# Altium PCB PCB_Napajanje_EUROBOT-2016_ZA STAMPANJE.PcbDoc
Units mil, origin at the board's own origin, x right, y up, seen from the top; angles counter-clockwise.
Board outline 5910 x 3945 mil, 2 copper layers (Top Layer, Bottom Layer); 78 components, 33 nets, 235 pads, 0 vias.
Unrouted connection lines stored in the file: 18.
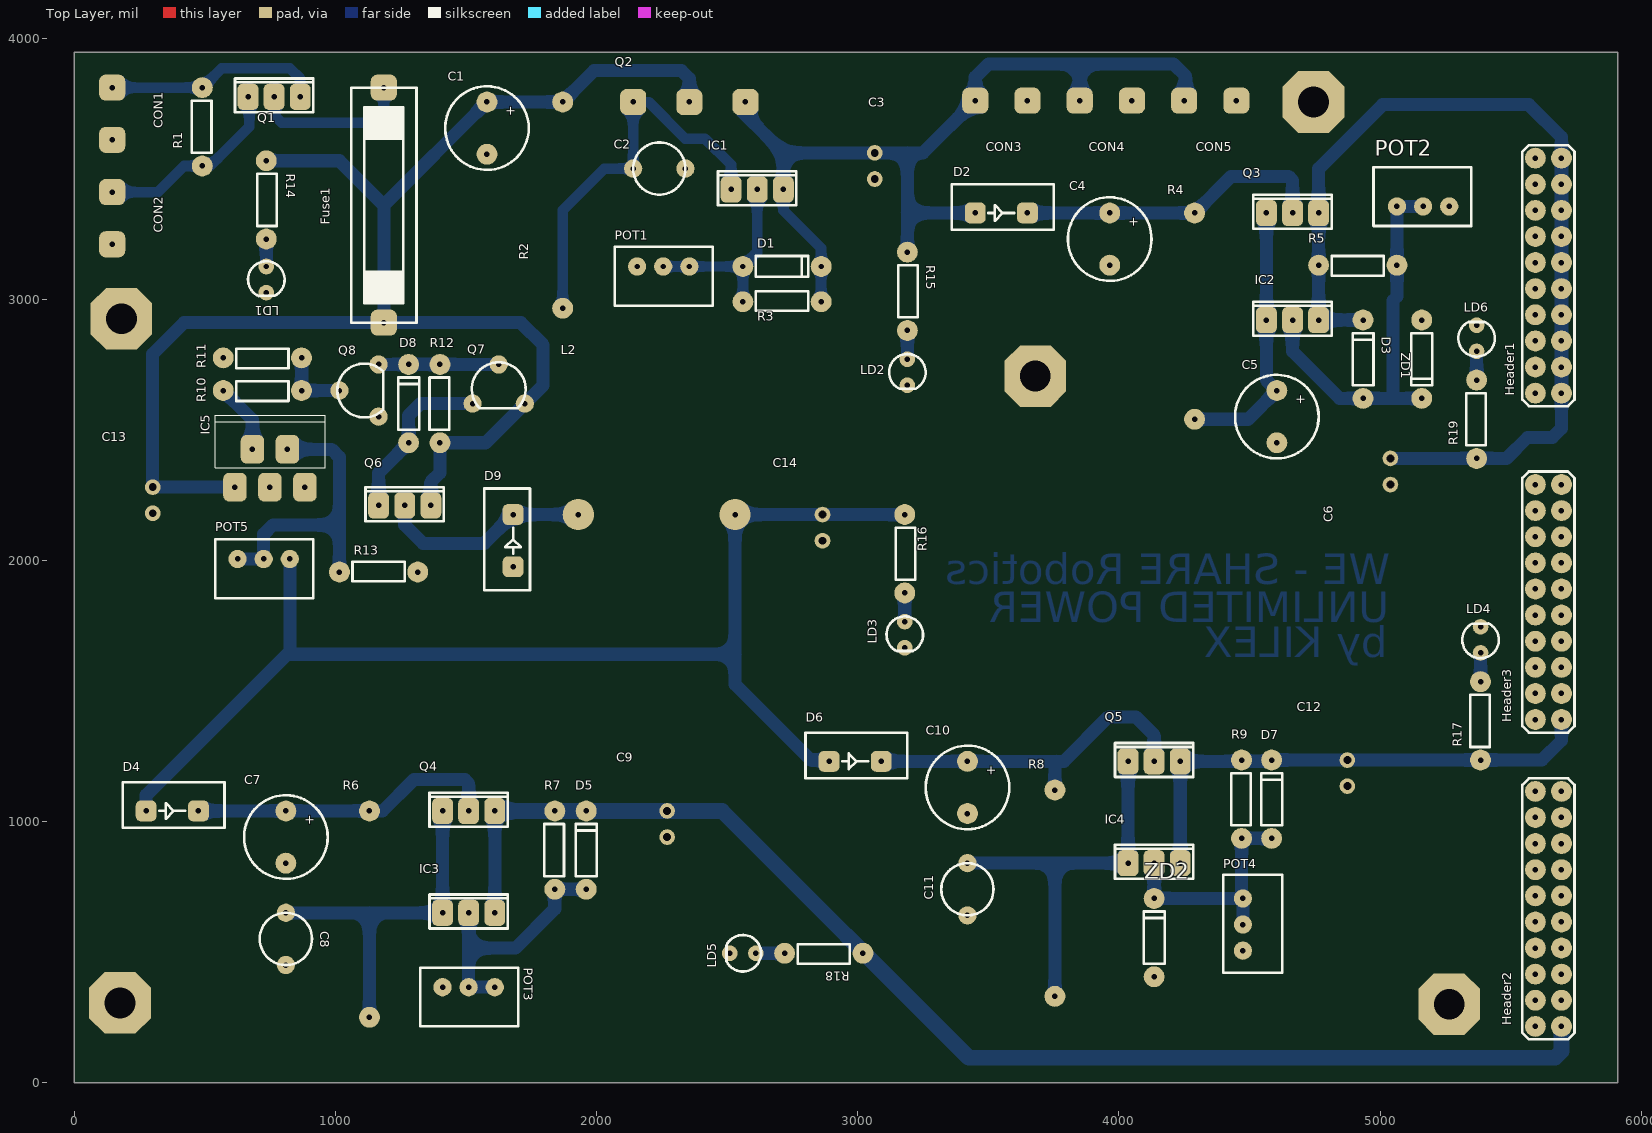
[diagram p0: Top Layer view]
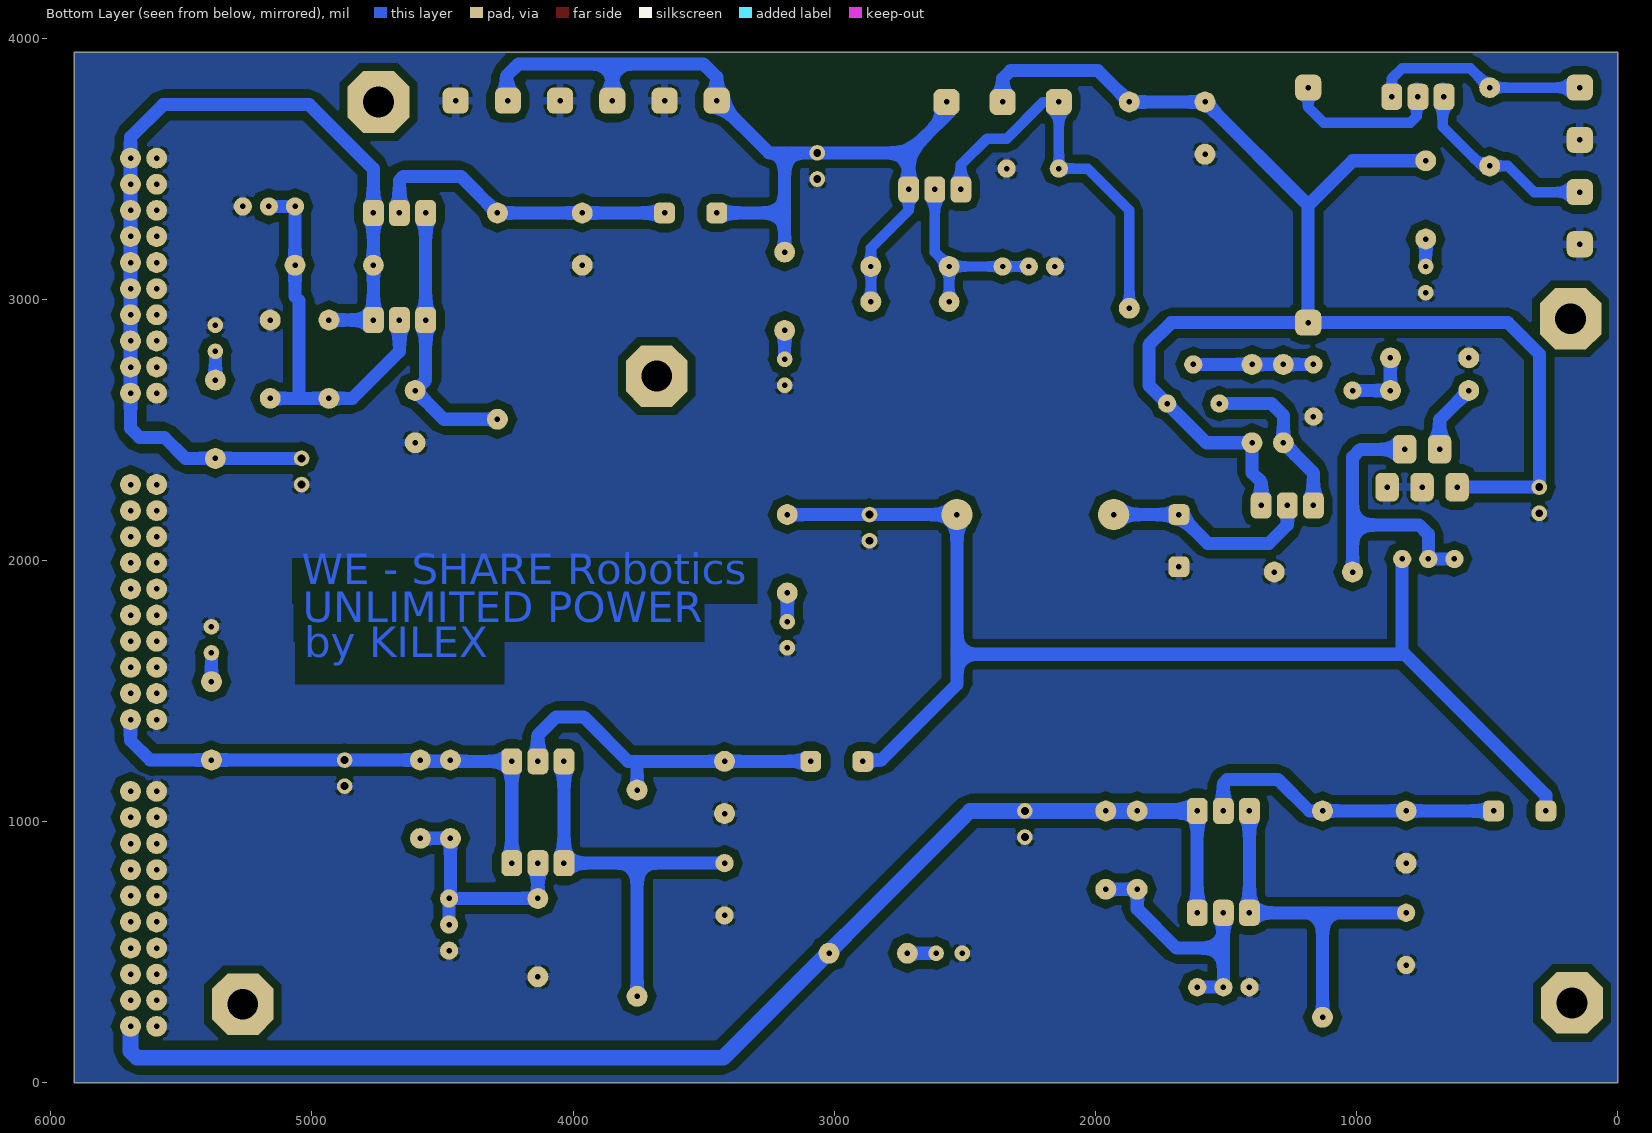
[diagram p1: Bottom Layer view, seen from below]
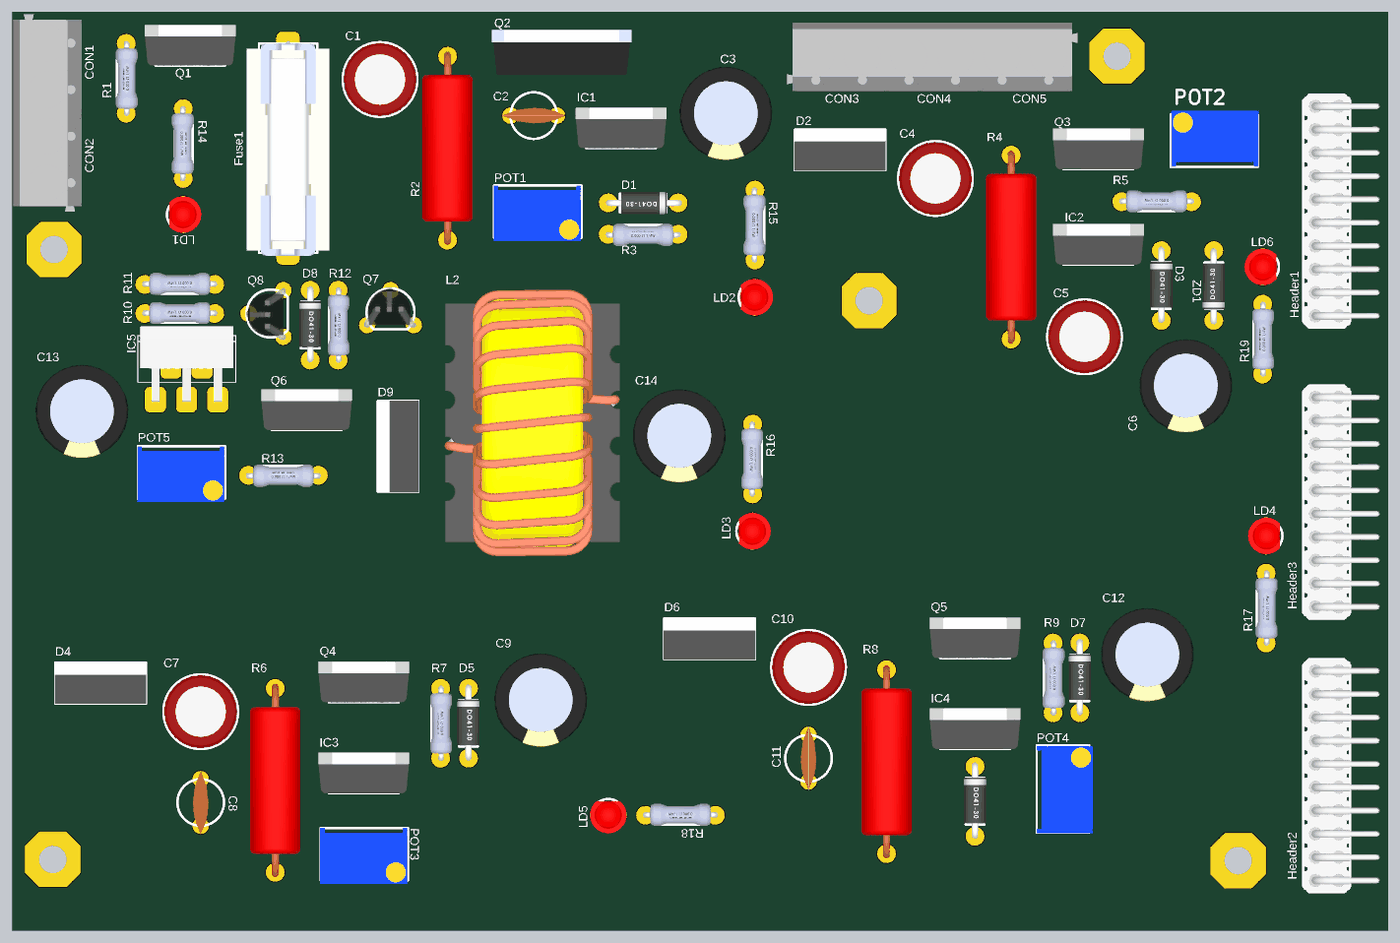
[diagram p2: 3D render of the assembled board from above, using the file's embedded part models]

## Layer stack, top to bottom
Top Solder: solder mask 0.4, Solder Resist, Dk 3.5
Top Layer: signal copper 1.4
Dielectric 1: dielectric 12.6, FR-4, Dk 4.8
Bottom Layer: signal copper 1.4
Bottom Solder: solder mask 0.4, Solder Resist, Dk 3.5

## Board outline
0,0 5910,0 5910,3945 0,3945

## Design rules (kind name [scope] priority, off if disabled: settings)
Clearance [All] p1: gap=30
PlaneClearance [InNet('GND')] p1: clearance=30
PlaneConnect [InNet('GND')] p1: planeconnectstyle=Relief reliefexpansion=10 reliefentries=4 reliefconductorwidth=30 reliefairgap=30
PolygonConnect [All] p1: connectstyle=Relief reliefconductorwidth=30 reliefentries=4 polygonreliefangle="90 Angle" airgapwidth=10
RoutingVias [All] p1: holewidth=28 width=50 viastyle="Through Hole" minholewidth=28 minwidth=50 maxholewidth=28 maxwidth=50
SolderMaskExpansion [All] p1: expansion=4
UnpouredPolygon [All] p1: allowunpoured=FALSE
Width [All] p1: maxlimit=60 minlimit=30 preferedwidth=40 minimp=50.000000 maximp=50.000000 favimp=50.000000
27 further rules are at their usual default settings.

## Components (designator, comment, footprint, x,y, rotation, side; value= is the part's Value field where it differs from the comment)
C1 "1000uF" C2(elektrolit) 1580,3755 r270 top
C2 "1uF" C1(ceramic) 2140,3500 r0 top
C3 "10uF" C3 3065,3560 r270 top
C4 "1000uF" C2(elektrolit) 3965,3330 r270 top
C5 "1uF" C2(elektrolit) 4605,2650 r270 top
C6 "10uF" C3 5040,2390 r270 top
C7 "1000uF" C2(elektrolit) 810,1040 r270 top
C8 "1uF" C1(ceramic) 810,650 r270 top
C9 "10uF" C3 2270,1040 r270 top
C10 "1000uF" C2(elektrolit) 3420,1230 r270 top
C11 "1uF" C1(ceramic) 3420,840 r270 top
C12 "10uF" C3 4875,1235 r270 top
C13 "100uF" C3 300,2280 r270 top
C14 "100uF" C3 2865,2175 r270 top
CON1 "Klema" Klema 145,3610 r90 top
CON2 "Klema" Klema 145,3210 r90 top
CON3 "Klema" Klema 3450,3760 r0 top
CON4 "Klema" Klema 3850,3760 r0 top
CON5 "Klema" Klema 4250,3760 r0 top
D1 "1n4007" D1(300milsa) 2560,3125 r0 top
D2 "MBR1045" D2(TO220) 3450,3330 r0 top
D3 "1n4007" D1(300milsa) 4935,2620 r90 top
D4 "MBR1045" D2(TO220) 275,1040 r0 top
D5 "1n4007" D1(300milsa) 1960,740 r90 top
D6 "MBR1045" D2(TO220) 2890,1230 r0 top
D7 "1n4007" D1(300milsa) 4585,935 r90 top
D8 "1n4148" D1(300milsa) 1280,2450 r90 top
D9 "MBR1045" D2(TO220) 1680,1975 r90 top
Fuse1 "FUSE" Osigurac 1185,3810 r270 top
Header1 "Header2x10" HEADER2x10 5695,2640 r90 top
Header2 "Header2x10" HEADER2x10 5695,215 r90 top
Header3 "Header2x10" HEADER2x10 5695,1390 r90 top
IC1 "LM317" TO220 2515,3420 r0 top
IC2 "LM317" TO220 4565,2920 r0 top
IC3 "LM317" TO220 1410,650 r0 top
IC4 "LM317" TO220 4035,840 r0 top
IC5 "LM2576" LM2576 615,2280 r0 top
L2 "100uH" Kalem 1930,2175 r0 top
LD1 "LED" LED(3mm) 735,3125 r270 top
LD2 "LED" LED(3mm) 3190,2770 r270 top
LD3 "LED" LED(3mm) 3180,1765 r270 top
LD4 "LED" LED(3mm) 5385,1645 r90 top
LD5 "LED" LED(3mm) 2610,495 r180 top
LD6 "LED" LED(3mm) 5370,2800 r90 top
POT1 "5K" TRIM 2155,3125 r0 top
POT2 "5K" TRIM 5265,3355 r180 top
POT3 "1K" TRIM 1410,365 r0 top
POT4 "5K" TRIM 4475,505 r90 top
POT5 "10K" TRIM 625,2005 r0 top
Q1 "IRF4905" TO220 665,3775 r0 top
Q2 "BD250" TO218 2140,3755 r0 top
Q3 "BD912" TO220 4565,3330 r0 top
Q4 "BD912" TO220 1410,1040 r0 top
Q5 "BD912" TO220 4035,1230 r0 top
Q6 "IRF4905" TO220 1165,2210 r0 top
Q7 "BC546" BC327 1525,2600 r0 top
Q8 "BC546" BC327 1165,2550 r90 top
R1 "1K" R1(300milsa) 490,3510 r90 top
R2 "8 2W" R1(2W) 1870,2965 r90 top
R3 "220" R1(300milsa) 2560,2990 r0 top
R4 "8 2W" R1(2W) 4290,2540 r90 top
R5 "220" R1(300milsa) 5065,3130 r180 top
R6 "8 2W" R1(2W) 1130,250 r90 top
R7 "220" R1(300milsa) 1840,740 r90 top
R8 "8 2W" R1(2W) 3755,330 r90 top
R9 "220" R1(300milsa) 4470,935 r90 top
R10 "1K" R1(300milsa) 870,2650 r180 top
R11 "1K" R1(300milsa) 870,2775 r180 top
R12 "1K" R1(300milsa) 1400,2450 r90 top
R13 "1K2" R1(300milsa) 1015,1955 r0 top
R14 "1K" R1(300milsa) 735,3530 r270 top
R15 "820" R1(300milsa) 3190,3180 r270 top
R16 "540" R1(300milsa) 3180,2175 r270 top
R17 "300" R1(300milsa) 5385,1235 r90 top
R18 "220" R1(300milsa) 3020,495 r180 top
R19 "470" R1(300milsa) 5370,2390 r90 top
ZD1 "1n5327 8.2V" D1(300milsa) 5160,2920 r270 top
ZD2 "1n5228 3v9" D1(300milsa) 4135,405 r90 top

## Footprints (in the part's own frame and the unit in brackets; to place one, negate y for a bottom-side part, rotate by r counter-clockwise, add the part's x,y. Pads: shape width x height; smd on the part's side, far side on the other; paste and mask are expansions set on the pad)
BC327 [mil]
  round 70 hole 21: 1(100,150) 2(200,0) 3(0,0)
  silkscreen extent -3,-18 203,158, body extent -15,-9 205,159, height 385
C1(ceramic) [mil]
  round 70 hole 21: 1(0,0) 2(200,0)
  silkscreen extent 0,-100 200,100, body extent -37,-33 238,33, height 258
C2(elektrolit) [mil]
  round 80 hole 21: 1(0,0) 2(200,0)
  silkscreen extent -60,-160 260,160, body extent -57,-157 257,157, height 522
C3 [mil]
  round 60 hole 30: 1(0,0) 2(100,0)
  body extent -150,-199 250,199, height 800
D1(300milsa) [mil]
  round 80 hole 21: 1(0,0) 2(300,0)
  silkscreen extent 50,-40 250,40, body extent -10,-47 318,47, height 100
D2(TO220) [mil]
  rrect50% 80x80 hole 21: 1(0,0) 2(200,0)
  silkscreen extent -90,-65 300,110, body extent -92,-67 302,110, height 769
HEADER2x10 [mil]
  round 80 hole 21: 1(0,0) 2(0,100) 3(100,0) 4(100,100) 5(200,0) 6(200,100) 7(300,0) 8(300,100) 9(400,0) 10(400,100) 11(500,0) 12(500,100) 13(600,0) 14(600,100) 15(700,0) 16(700,100) 17(800,0) 18(800,100) 19(900,0) 20(900,100)
  silkscreen extent -50,-50 950,150, body extent -50,-178 950,148, height 294
Kalem [mil]
  round 120 hole 21: 1(0,0) 2(600,0)
  body extent -73,-567 680,577, height 1274
Klema [mil]
  rrect50% 100x100 hole 21: 1(0,0) 2(200,0)
  body extent -122,-155 325,140, height 392
LED(3mm) [mil]
  round 60 hole 21: 1(0,0) 2(100,0)
  silkscreen extent -20,-70 114,70, body extent -28,-60 128,77, height 212
LM2576 [mil]
  rrect50% 90x110 hole 21: 1(0,0) 2(67,145) 3(134,0) 4(201,145) 5(268,0)
  silkscreen extent -75,75 345,275, body extent -65,-10 335,315, height 850
Osigurac [mil]
  rrect50% 100x100 hole 21: 1(0,0) 2(900,0)
  silkscreen extent 0,-125 900,125, body extent 0,-177 912,177, height 492
R1(2W) [mil]
  round 80 hole 21: 1(0,0) 2(790,0)
  body extent -21,-108 811,108, height 208
R1(300milsa) [mil]
  round 80 hole 21: 1(0,0) 2(300,0)
  silkscreen extent 50,-35 250,40, body extent -12,-49 312,45, height 95
TO218 [mil]
  rrect50% 100x100 hole 21: 1(0,0) 2(215,0) 3(430,0)
  body extent -79,-80 519,113, height 960
TO220 [mil]
  rrect50% 80x100 hole 21: 1(0,0) 2(100,0) 3(200,0)
  silkscreen extent -50,-60 250,70, body extent -95,-61 295,114, height 746
TRIM [mil]
  round 70 hole 21: 1(0,0) 2(100,0) 3(200,0)
  silkscreen extent -85,-150 290,75, body extent -88,-165 288,75, height 465

## Part data
C1 C2 C3 C4 C5 C6 C7 C8 C9 C10 C11 C12 C13 C14: library part C2
D1 D3 D5 D7 D8: library part D1
D2 D4 D6 D9: library part "Sotki Diode"
IC1 IC2 IC3 IC4: library part LM317/LM350
L2: library part Coil
POT1 POT2 POT3 POT4 POT5: library part TRIM
Q1 Q6: library part "P-Channel MOSFET"
Q2 Q3 Q4 Q5: library part "Transistor PNP"
Q7 Q8: library part "Transistor NPN"
R1 R2 R3 R4 R5 R6 R7 R8 R9 R10 R11 R12 R13 R14 R15 R16 R17 R18 R19: library part R1
ZD1 ZD2: library part ZD1

## Free pads (board coordinates)
  oct 236.22x236.22 hole 118.11: 0(175,305) 0(180,2925) 0(3680,2705) 0(4745,3755) 0(5265,300)

## Nets (pads, with @x,y where several pads share a name; then routed paths per layer and width w, separated by ;. In a path a pad name is that pad's centre, name@x,y a point inside that pad or via, vN(x,y) a via of type N, cw(c..) or ccw(c..) an arc to the next point about the centre after c; other vN are vias at no path point)
3V3: C9.1 D5.2 Header2.1 Header2.3 Header2.5 Header2.7 Header2.9 Header2.11 Header2.13 Header2.15 Header2.17 Header2.19 IC3.3 Q4.3 R7.2 R18.1 | length 4971.8
  Bottom Layer w50: IC3.3 Q4.3
  Bottom Layer w60: Q4.3 R7.2 D5.2 C9.1 2480,1040 3425,95 5670,95 5695,120 Header2.1
5-9V: C6.1 D3.2 Header1.1 Header1.3 Header1.5 Header1.7 Header1.9 Header1.11 Header1.13 Header1.15 Header1.17 Header1.19 IC2.3 Q3.3 R5.2 R19.1 | length 3650.9
  Bottom Layer w50: D3.2 IC2.3 R5.2 Q3.3 4765,3500 5010,3745 5570,3745 5695,3620 Header1.19 Header1.17 Header1.15 Header1.13 Header1.11 Header1.9 Header1.7 Header1.5 Header1.3 Header1.1 5695,2505 5660,2470 5565,2470 5485,2390 C6.1
5V: C12.1 D7.2 Header3.1 Header3.3 Header3.5 Header3.7 Header3.9 Header3.11 Header3.13 Header3.15 Header3.17 Header3.19 IC4.3 Q5.3 R9.2 R17.1 | length 1963.1
  Bottom Layer w50: IC4.3 Q5.3 4580,1230 D7.2 C12.1 5620,1235 5695,1310 Header3.1
8V: C14.1 D4.1 D6.1 L2.2 POT5.3 R16.1 | length 4686.5
  Bottom Layer w50: D4.1 275,1100 822.5,1647.5 ; POT5.3 825,1640 2530,1640 ; D6.1 2885,1235 2820,1235 2530,1525 2530,1640 ; R16.1 C14.1 L2.2 2530,1640
12V: C3.1 CON3.1 CON4.1 CON5.1 D1.2 D2.1 IC1.3 Q2.3 R3.2 R15.1 | length 3521.5
  Bottom Layer w40: IC1.3 2715,3340 2860,3195 D1.2 R3.2 ; CON4.1 CON4.1@3855,3765 ; CON5.1 CON5.1@4255,3765
  Bottom Layer w50: Q2.3 2570,3705 2715,3560 ; IC1.3 2715,3560 ; R15.1 3190,3330 ; D2.1 3190,3330 ; CON4.1 3850,3900 ; CON5.1@4255,3765 4255,3855 4210,3900 3850,3900 ; 2715,3560 C3.1 3190,3560 ; 3190,3330 3190,3560 ; 3190,3560 3250,3560 CON3.1 3450,3850 3500,3900 3850,3900
15V: C1.1 C13.1 Fuse1.2 IC5.1 Q2.2 Q6.3 Q7.2 R2.2 R12.1 R14.1 | length 5756.7
  Bottom Layer w50: IC5.1 C13.1 300,2790.05 419.95,2910 Fuse1.2 ; R14.1 1015,3530 1185,3360 ; Q6.3 1365,2300 1400,2335 R12.1 1575,2450 Q7.2 1795,2670 1795,2825 1710,2910 Fuse1.2 ; Q2.2 2355,3845 2325,3875 1990,3875 R2.2 C1.1 1185,3360 ; Fuse1.2 1185,3360
GND: C1.2 C2.2 C3.2 C4.2 C5.2 C6.2 C7.2 C8.2 C9.2 C10.2 C11.2 C12.2 C13.2 C14.2 CON1.1 CON2.1 CON3.2 CON4.2 CON5.2 D9.1 Header1.2 Header1.4 Header1.6 Header1.8 Header1.10 Header1.12 Header1.14 Header1.16 Header1.18 Header1.20 Header2.2 Header2.4 Header2.6 Header2.8 Header2.10 Header2.12 Header2.14 Header2.16 Header2.18 Header2.20 Header3.2 Header3.4 Header3.6 Header3.8 Header3.10 Header3.12 Header3.14 Header3.16 Header3.18 Header3.20 IC5.3 IC5.5 LD1.2 LD2.2 LD3.2 LD4.2 LD5.2 LD6.2 POT1.1 POT2.1 POT3.1 POT4.1 Q8.3 R11.2 R13.2 ZD1.1 ZD2.1
NetC2_1: C2.1 IC1.1 Q2.1 R2.1 | length 1535.7
  Bottom Layer w40: R2.1 1870,3340 2030,3500 C2.1 Q2.1 2200,3755 2340,3615 2415,3615 2515,3515 IC1.1
NetC4_1: C4.1 D2.2 Q3.2 R4.2 | length 1204.2
  Bottom Layer w50: D2.2 C4.1 R4.2 4430,3470 4650,3470 4665,3455 Q3.2
NetC5_1: C5.1 IC2.1 Q3.1 R4.1 | length 1057.1
  Bottom Layer w50: R4.1 4495,2540 C5.1 4565,2690 IC2.1 Q3.1
NetC7_1: C7.1 D4.2 Q4.2 R6.2 | length 1195.9
  Bottom Layer w50: D4.2 C7.1 R6.2 1180,1040 1300,1160 1495,1160 1510,1145 Q4.2
NetC8_1: C8.1 IC3.1 Q4.1 R6.1 | length 1390
  Bottom Layer w50: C8.1 1130,650 ; R6.1 1130,650 ; Q4.1 IC3.1 1130,650
NetC10_1: C10.1 D6.2 Q5.2 R8.2 | length 1356.5
  Bottom Layer w50: D6.2 C10.1 3760,1230 ; R8.2 3755,1225 3760,1230 ; Q5.2 4135,1330 4065,1400 3960,1400 3790,1230 3760,1230
NetC11_1: C11.1 IC4.1 Q5.1 R8.1 | length 1515
  Bottom Layer w50: C11.1 3755,840 ; R8.1 3755,840 ; Q5.1 IC4.1 3755,840
NetCON1_2: CON1.2 Q1.3 R1.2 | length 837.6
  Bottom Layer w40: CON1.2 R1.2 565,3885 825,3885 865,3845 Q1.3
NetCON2_2: CON2.2 Q1.1 R1.1 | length 778.6
  Bottom Layer w40: CON2.2 320,3410 420,3510 R1.1 520,3510 670,3660 Q1.1@670,3810
NetD1_1: D1.1 IC1.2 POT1.2 POT1.3 R3.1 | length 757.8
  Bottom Layer w40: POT1.2 POT1.3 D1.1 ; R3.1 D1.1 ; IC1.2 2615,3180 D1.1
NetD3_1: D3.1 IC2.2 POT2.2 POT2.3 R5.1 ZD1.2 | length 1531.8
  Bottom Layer w50: IC2.2 4665,2800 4845,2620 D3.1 5047.5,2620 ; ZD1.2 5047.5,2620 ; POT2.2 POT2.3 R5.1 5065,3010 5050,2995 5050,2622.5 5047.5,2620
NetD5_1: D5.1 IC3.2 POT3.2 POT3.3 R7.1 | length 972.1
  Bottom Layer w50: IC3.2 1510,515 ; POT3.3 POT3.2 1510,515 ; D5.1 R7.1 1840,665 1690,515 1510,515
NetD7_1: D7.1 IC4.2 POT4.2 POT4.3 R9.1 ZD2.2 | length 922.1
  Bottom Layer w50: IC4.2 ZD2.2 POT4.3 ; POT4.2 POT4.3 ; D7.1 R9.1 4470,710 POT4.3
NetD8_1: D8.1 Q6.1 Q7.3 | length 656.3
  Bottom Layer w50: Q6.1 1165,2335 D8.1 1280,2555 1325,2600 Q7.3
NetD8_2: D8.2 Q7.1 Q8.2 R12.2 | length 460
  Bottom Layer w50: Q8.2 D8.2 R12.2 Q7.1
NetD9_2: D9.2 L2.1 Q6.2 | length 814.6
  Bottom Layer w50: Q6.2 1265,2135 1335,2065 1570,2065 D9.2 L2.1
NetFuse1_1: Fuse1.1 Q1.2 | length 635.2
  Bottom Layer w40: Q1.2@770,3810 770,3700 795,3675 1125,3675 1185,3735 Fuse1.1
NetIC5_2: IC5.2 R10.2 | length 271.4
  Bottom Layer w50: R10.2 682,2538 IC5.2
NetIC5_4: IC5.4 POT5.1 POT5.2 R13.1 | length 1150.9
  Bottom Layer w50: POT5.1 POT5.2 725,2100 760,2135 1015,2135 ; IC5.4 985,2425 1015,2395 1015,2135 ; R13.1 1015,2135
NetLD1_1: LD1.1 R14.2 | length 105
  Bottom Layer w50: LD1.1 R14.2
NetLD2_1: LD2.1 R15.2 | length 110
  Bottom Layer w50: LD2.1 R15.2
NetLD3_1: LD3.1 R16.2 | length 110
  Bottom Layer w50: LD3.1 R16.2
NetLD4_1: LD4.1 R17.2 | length 110
  Bottom Layer w50: R17.2 LD4.1
NetLD5_1: LD5.1 R18.2 | length 110
  Bottom Layer w50: LD5.1 R18.2
NetLD6_1: LD6.1 R19.2 | length 110
  Bottom Layer w50: R19.2 LD6.1
NetQ8_1: Q8.1 R10.1 R11.1 | length 270
  Bottom Layer w50: R11.1 R10.1 Q8.1

## Polygon pours and split planes (outlines as drawn)
GND on Bottom Layer "Bottom Layer-gnd" (solid, remove dead copper, pour order 4): 0,3945 0,0 5910,0 5910,3945

## Other copper
Bottom Layer:
  text "WE - SHARE Robotics" at 5040,1870 h200
  text "UNLIMITED POWER" at 5035,1725 h200
  text "by KILEX" at 5030,1590 h200

## Silkscreen, mask and mechanical layers (free items; w line width, h text height)
Mechanical 1:
  the board outline again, w10

## Text inside footprints (layer, text, board x,y; h text height)
C1: Top Overlay "+" at 1645,3740 h60 r270
C4: Top Overlay "+" at 4030,3315 h60 r270
C5: Top Overlay "+" at 4670,2635 h60 r270
C7: Top Overlay "+" at 875,1025 h60 r270
C10: Top Overlay "+" at 3485,1215 h60 r270